# Allegro board SG2042_EVB_V1_1.brd (continued)
## Nets (continued)
GND: ATXPWR1.3 ATXPWR1.5 ATXPWR1.7 ATXPWR1.15 ATXPWR1.17 ATXPWR1.18 ATXPWR1.19 ATXPWR1.24 BT2000.2(-) C1.2 C2.2 C3.2 C4.2 C5.2 C6.2 C7.2 C8.2 C9.2 C10.2 C11.2 C12.2 C13.2 C14.2 C15.2 C16.2 C17.2 C19.2 C20.2 C21.2 C22.2 C23.2 C24.2 C25.2 C26.2 C27.2 C28.2 C29.2 C30.2 C31.2 C32.2 C33.2 C34.2 C35.2 C36.2 C37.2 C39.2 C40.2 C41.2 C42.2 C43.2 C44.2 C45.2 C46.2 C47.2 C48.2 C49.2 C50.2 C51.2 C52.2 C53.2 C54.2 C55.2 C56.2 C57.2 C59.2 C60.2 C61.2 C62.2 C63.2 C64.2 C65.2 C66.2 C67.2 C68.2 C69.2 C70.2 C71.2 C72.2 C73.2 C74.2 C75.2 C76.2 C77.2 C79.2 C80.2 C81.1 C82.1 C83.1 C84.1 C85.1 C86.1 C87.1 C88.1 C89.1 C90.1 C91.1 C92.1 C93.1 C94.1 C95.1 C96.1 C97.1 C98.1 C99.1 C100.1 C101.1 C102.1 C103.1 C104.1 C105.1 C106.1 C107.1 C108.1 C109.1 C110.1 C111.1 C112.1 C113.1 C114.1 C115.1 C116.1 C117.1 C118.1 C119.1 C120.1 C121.1 C122.1 C123.1 C124.1 C125.1 C126.1 C127.1 C128.1 C129.1 C132.1 C133.1 C134.1 C135.1 C136.1 C137.1 C138.1 C139.1 C140.1 C141.1 C142.1 C143.1 C144.1 C145.1 C146.1 C147.1 C148.1 C149.1 C150.1 C151.1 C152.1 C153.1 C154.1 C155.1 C156.1 C157.1 C158.1 C159.1 C160.1 C161.1 C162.1 C163.1 C164.1 C165.1 C166.1 C167.1 C168.1 C169.1 C170.1 C171.1 C172.1 C173.1 C174.1 C175.1 C176.1 C177.1 C178.1 C179.1 C181.1 C182.1 C183.1 C184.1 C185.1 C186.1 C187.1 C188.1 C189.1 C190.1 C191.1 C192.1 C193.1 C194.1 C195.1 C196.1 C197.1 C198.1 C199.1 C200.1 C201.1 C202.1 C203.1 C204.1 C205.1 C206.1 C207.1 C208.1 C209.1 C210.1 C211.1 C212.1 C213.1 C214.1 C215.1 C216.1 C217.1 C218.1 C219.1 C220.1 C221.1 C222.1 C223.1 C224.1 C225.1 C226.1 C227.1 C228.1 C229.1 C230.1 C231.1 C232.1 C233.1 C234.1 C235.1 C236.1 C237.1 C238.1 C239.1 C240.1 C241.1 C242.1 C243.1 C244.1 C245.1 C246.1 C247.1 C248.1 C249.1 C250.1 C251.1 C252.1 C253.1 C254.1 C255.1 C256.1 C257.1 C258.1 C259.1 C260.1 C261.1 C262.1 C263.1 C264.1 C265.1 C266.1 C267.1 C281.1 C282.1 C283.1 C284.1 C285.1 C286.1 C287.1 C288.1 C289.1 C290.1 C291.1 C292.1 C293.1 C294.1 C295.1 C296.1 C297.1 C298.1 C299.1 C300.1 C301.1 C302.1 C303.1 C304.1 C305.1 C306.1 C307.1 C308.1 C309.1 C310.1 C311.1 C312.1 C313.1 C314.1 C315.1 C316.1 C317.1 C318.1 C319.1 C320.1 C321.1 C322.1 C323.1 C324.1 C325.1 C326.1 C327.1 C328.1 C329.1 C330.1 C331.1 C332.1 C333.1 C334.1 C335.1 C336.1 C337.1 C338.1 C339.1 C340.1 C341.1 C342.1 C343.1 C344.1 C345.1 C346.1 C347.1 C348.1 C349.1 C350.1 C351.1 C352.1 C353.1 C354.1 C355.1 C356.1 C357.1 C358.1 C359.1 C360.1 C361.1 C362.1 C363.1 C364.1 C445.1 C446.1 C447.1 C448.1 C449.1 C450.1 C451.1 C452.1 C453.1 C454.1 C455.1 C456.1 C457.1 C458.1 C459.1 C460.1 C461.1 C462.1 C463.1 C464.1 C465.1 C466.1 C467.1 C468.1 C469.1 C470.1 C471.1 C475.1 C476.1 C477.1 C478.1 C479.1 C480.1 C481.1 C482.1 C483.1 C484.1 C485.1 C486.1 C487.1 C488.1 C489.1 C490.1 C491.1 C492.1 C493.1 C494.1 C495.1 C496.1 C497.1 C498.1 C499.1 C505.1 C506.1 C507.1 C508.1 C509.1 C510.1 C511.1 C512.1 C513.1 C514.1 C515.1 C516.1 C517.1 C518.1 C519.1 C525.1 C526.2 C528.1 C530.1 C531.1 C532.1 C533.1 C534.1 C535.1 C536.1 C537.1 C538.1 C539.1 C540.1 C541.1 C542.1 C543.1 C545.1 C548.2 C549.2 C550.2 C551.2 C552.2 C557.2 C558.2 C559.2 C560.2 C561.2 C562.2 C563.2 C564.2 C565.2 C566.2 C567.2 C568.2 C570.2 C571.2 C572.2 C573.2 C574.2 C575.1 C576.1 C577.2 C578.1 C579.1 C580.1 C581.2 C582.1 C583.1 C584.1 C585.2 C587.1 C588.2 C589.2 C590.1 C592.1 C593.2 C594.1 C597.2 C600.1 C602.1 C604.1 C605.2 C606.1 C607.1 C608.1 C609.1 C610.1 C611.1 C612.1 C613.1 C614.1 C615.1 C616.1 C617.1 C618.1 C619.1 C620.1 C621.1 C622.1 C623.1 C624.1 C625.1 C626.1 C627.1 C628.1 C629.1 C630.1 C631.1 C632.1 C633.1 C634.1 C635.1 C636.1 C637.1 C638.1 C639.1 C640.1 C641.1 C642.1 C643.1 C644.1 C645.1 C646.1 C647.1 C648.1 C649.1 C650.1 C651.1 C652.1 C653.1 C654.1 C655.1 C656.1 C657.1 C658.1 C659.1 C660.1 C661.1 C662.1 C663.1 C664.1 C665.1 C666.1 C667.1 C668.1 C669.1 C670.1 C671.1 C672.1 C673.1 C674.1 C675.1 C676.1 C677.1 C678.1 C679.1 C680.1 C681.1 C682.1 C683.1 C684.1 C685.1 C686.1 C687.1 C688.1 C689.1 C690.1 C691.1 C692.1 C693.1 C694.1 C695.1 C696.1 C697.1 C698.1 C699.1 C700.1 C701.1 C702.1 C703.1 C704.1 C705.1 C706.1 C707.1 C708.1 C709.1 C710.1 C711.1 C712.1 C713.1 C714.1 C715.1 C716.1 C717.1 C718.1 C719.1 C720.1 C721.1 C722.1 C723.1 C724.1 C725.1 C726.1 C727.1 C728.1 C729.1 C730.1 C731.1 C756.1 C757.1 C758.1 C759.1 C760.1 C761.1 C762.1 C763.1 C764.1 C765.1 C766.1 C767.1 C768.1 C769.1 C770.1 C771.1 C772.1 C773.1 C774.1 C775.1 C776.1 C777.1 C778.1 C779.1 C780.1 C781.1 C782.1 C783.1 C784.1 C785.1 C786.1 C787.1 C788.1 C789.1 C790.1 C791.1 C792.1 C793.1 C794.1 C795.1 C796.1 C797.1 C798.1 C799.1 C800.1 C801.1 C802.1 C803.1 C804.1 C805.1 C806.1 C807.1 C808.1 C809.1 C810.1 C811.1 C812.1 C813.1 C814.1 C815.1 C816.1 C817.1 C818.1 C819.1 C820.1 C821.1 C822.1 C823.1 C824.1 C825.1 C826.1 C827.1 C828.1 C829.1 C830.1 C831.1 C832.1 C833.1 C834.1 C835.1 C836.1 C837.1 C838.1 C839.1 C840.1 C841.1 C842.1 C843.1 C844.1 C845.1 C846.1 C847.1 C848.1 C849.1 C850.1 C851.1 C852.1 C853.1 C854.1 C855.1 C856.1 C857.1 C858.1 C859.1 C860.1 C861.1 C862.1 C863.1 C864.1 C865.1 C866.1 C867.1 C868.1 C869.1 C870.1 C871.1 C872.1 C873.1 C874.1 C875.1 C876.1 C877.1 C878.1 C879.1 C880.1 C881.1 C976.1 C977.1 C978.1 C979.1 C980.1 C981.1 C982.1 C983.1 C984.1 C985.1 C986.1 C987.1 C988.1 C989.1 C990.1 C991.1 C992.1 C993.1 C994.1 C995.1 C996.1 C997.1 C998.1 C999.1 C1000.1 C1001.1 C1002.1 C1003.1 C1004.1 C1005.1 C1006.1 C1007.1 C1008.1 C1009.1 C1010.1 C1011.1 C1156.1 C1157.1 C1158.1 C1159.1 C1160.1 C1161.1 C1162.1 C1163.1 C1164.1 C1165.1 C1167.2 C1168.2 C1171.2 C1172.1 C1173.1 C1178.1 C1182.2 C1183.2 C1184.2 C1185.2 C1186.2 C1187.2 C1188.2 C1189.2 C1190.2 C1191.2 C1192.2 C1193.2 C1194.2 C1195.2 C1196.2 C1201.1 C1207.1 C1209.2 C1210.2 C1211.1 C1213.1 C1214.1 C1217.2 C1218.2 C1219.1 C1221.1 C1222.1 C1230.1 C1231.2 C1232.2 C1235.1 C1236.1 C1239.2 C1240.2 C1241.2 C1242.2 C1243.2 C1244.2 C1245.2 C1246.2 C1247.2 C1248.2 C1249.2 C1250.2 C1251.2 C1252.2 C1253.2 C1254.2 C1255.2 C1256.2 C1257.2 C1258.2 C1259.2 C1260.2 C1261.2 C1262.2 C1263.2 C1264.2 C1265.2 C1266.2 C1267.2 C1268.2 C1269.2 C1270.2 C1271.2 C1272.2 C1273.2 C1274.2 C1275.2 C1276.2 C1277.2 C1278.2 C1279.2 C1280.2 C1281.2 C1285.2 C1286.2 C1289.2 C1290.2 C1291.2 C1292.2 C1293.2 C1294.2 C1295.2 C1296.2 C1297.2 C1298.2 C1299.2 C1300.2 C1301.2 C1302.2 C1303.2 C1304.2 C1305.2 C1306.2 C1307.2 C1308.2 C1309.2 C1310.2 C1311.2 C1312.2 C1313.2 C1314.2 C1315.2 C1317.2 C1318.2 C1319.2 C1320.2 C1321.2 C1322.2 C1323.2 C1324.2 C1325.2 C1326.2 C1327.2 C1328.2 C1329.2 C1330.2 C1331.2 C1332.2 C1333.2 C1334.2 C1335.2 C1336.2 C1337.2 C1338.2 C1342.2 C1343.2 C1344.2 C1345.2 C1346.2 C1347.2 C1348.2 C1349.2 C1350.2 C1351.2 C1352.2 C1353.2 C1354.2 C1355.2 C1356.2 C1357.2 C1358.2 C1359.2 C1360.2 C1361.2 C1362.2 C1363.2 C1364.2 C1365.2 C1366.2 C1367.2 C1368.2 C1369.2 C1370.2 C1371.2 C1372.2 C1373.2 C1374.2 C1375.2 C1376.2 C1377.2 C1378.2 C1379.2 C1380.2 C1381.2 C1382.2 C1383.2 C1384.2 C1385.2 C1386.2 C1387.2 C1388.2 C1389.2 C1390.2 C1391.2 C1392.2 C1393.2 C1394.2 C1395.2 C1396.2 C1397.2 C1398.2 C1399.2 C1400.2 C1401.2 C1402.2 C1403.2 C1408.2 C1409.2 C1410.2 C1411.2 C1412.2 C1413.2 C1414.2 C1415.2 C1416.1 C1418.1 C1420.2 C1421.1 C1422.2 C1424.2 C1425.2 C1426.2 C1427.1 C1428.1 C1430.2 C1431.2 C1432.2 C1433.2 C1435.2 C1436.2 C1437.2 C1438.2 C1439.2 C1441.2 C1442.1 C1443.1 C1444.1 C1445.1 C1446.2 C1448.2 C1450.2 C1452.2 C1454.2 C1456.2 C1458.2 C1460.2 C1462.2 C1465.1 C1466.1 C1468.1 C1469.1 C1471.1 C1472.1 C1473.1 C1474.1 C1475.1 C1476.1 C1477.1 C1478.1 C1479.1 C1480.1 C1481.1 C1482.1 C1483.1 C1484.1 C1485.1 C1486.1 C1487.1 C1488.1 C1491.2 C1492.2 C1493.2 C1496.2 C1497.2 C1499.2 C1500.2 C1501.2 C1502.2 C1503.2 C1504.2 C1505.2 C1506.2 C1507.2 C1508.2 C1509.2 C1510.2 C1511.2 C1512.2 C1514.2 C1515.2 C1516.2 C1517.2 C1518.2 C1519.2 C1520.2 C1521.2 C1522.2 C1523.2 C1524.2 C1525.2 C1526.2 C1527.2 C1528.2 C1529.2 C1531.2 C1532.2 C1533.2 C1534.1 C1535.2 C1536.2 C1537.2 C1538.2 C1540.1 C1541.1 C1543.2 C1544.2 C1545.2 C1546.2 C1548.2 C1549.2 C1550.2 C1551.2 C1552.2 C1554.2 C1555.1 C1556.1 C1558.2 C1559.2 C1560.2 C1561.2 C1563.2 C1564.2 C1565.2 C1566.2 C1567.2 C1569.2 C1570.1 C1571.1 C1572.1 C1573.1 C1574.1 C1575.1 C1576.1 C1577.1 C1578.2 C1579.2 C1580.1 C1581.1 C1582.1 C1583.1 C1584.1 C1585.1 C1586.1 C1587.1 C1588.1 C1589.1 C1590.1 C1591.1 C1592.1 C1593.1 C1597.1 C1598.1 C1599.1 C1600.1 C1601.1 C1602.1 C1603.1 C1604.1 C1605.1 C1606.1 C1610.1 C1611.1 C1612.1 C1613.1 C1614.1 C1615.1 C1616.1 C1617.1 C1618.1 C1619.1 C1620.1 C1621.1 C1622.1 C1623.1 C1624.1 C1625.1 C1626.1 C1630.1 C1631.1 C1632.1 C1633.1 C1634.1 C1638.1 C1639.1 C1640.1 C1641.1 C1642.1 C1668.2 C1669.2 C1670.2 C1671.2 C1672.2 C1674.2 C1675.2 C1677.1 C1678.1 C1699.1 C1700.1 C1701.1 C1702.1 C1703.1 C1704.1 C1705.1 C1706.1 C1707.1 C1708.1 C1709.1 C1710.1 C1711.1 C1712.1 C1713.1 C1714.1 C1715.1 C1716.1 C1717.1 C1718.1 C1719.1 C1720.1 C1721.1 C1722.1 C1723.1 C1724.1 C1725.1 C1726.1 C1727.1 C1728.1 C1729.1 C1730.1 C1731.1 C1732.1 C1733.1 C1734.1 C1735.1 C1736.1 C1737.2 C1738.2 C1743.2 C1744.2 C1745.2 C1746.2 C1805.2 C2000.2 C2001.2 C2010.2 C3119.1 C3121.2 C3143.2 C3144.1 C3145.1 C3146.1 C3147.2 C3148.2 C3149.2 C3150.2 C3151.2 C3152.2 C3153.2 C3154.2 C3155.2 C3156.1 C3157.1 C3159.2 C3161.2 C3162.2 C3164.1 C3165.1 C3166.2 C3167.2 C3168.2 C3169.2 C3170.2 C3174.2 C3175.2 C3230.2 C3231.1 C3232.1 C3234.1 C3247.2 C3248.2 C3252.1 C3253.1 C3254.1 C3255.1 C3256.1 C3257.1 C3258.1 C3259.1 C3260.1 C3261.1 C3262.1 C3263.2 C3264.2 C3265.2 C3266.2 C3267.2 C3272.1 C3273.1 C3274.1 C3276.1 C3277.1 C3278.1 C3279.1 C3280.1 C3281.1 C3282.1 C3283.1 C3284.1 C3285.1 C3286.1 C3287.1 C3289.2 C3290.2 C3291.1 C3294.2 C3295.2 C3296.2 C3297.2 C3298.2 C3299.2 C3300.2 C3301.2 C3302.2 C3303.2 C3304.2 C3305.2 C3306.2 C3307.2 C3308.1 C3309.2 C3310.2 C3311.2 C3312.2 C3313.2 C3314.2 C3315.1 C3316.1 C3318.2 C3319.2 C3320.2 C3321.1 C3322.1 C3323.2 C3324.2 C3325.2 C3326.2 C3327.1 C3328.1 C3329.1 C3330.1 C3331.1 C3332.1 C3333.1 C3334.1 C3335.1 D1.2 D2.2 D3.2 D4.2 D5.2 D6.2 D7.2 D8.2 D9.2 D10.2 D11.2 D12.2 D13.2 D14.2 D15.2 D16.2 D17.2 D18.2 D19.2 D20.2 D21.2 D22.2 D23.2 D24.2 D25.2 D42.2 D43.2 D44.2 D521.2 D522.2 D523.2 D528.2 D529.2 D530.2 D532.2 H1.1 H2.1 H3.1 H4.1 H5.1 H6.1 H7.1 H8.1 H9.1 H10.1 H11.1 H12.1 H13.1 H14.1 H15.1 H16.1 H17.1 H18.1 H19.1 H20.1 H21.1 J1.2 J1.4 J1.6 J1.9 J1.11 J1.13 J1.15 J1.17 J1.20 J1.22 J1.24 J1.26 J1.28 J1.31 J1.33 J1.35 J1.37 J1.39 J1.42 J1.44 J1.46 J1.48 J1.50 J1.53 J1.55 J1.57 J1.94 J1.96 J1.98 J1.101 J1.103 J1.105 J1.107 J1.109 J1.112 J1.114 J1.116 J1.118 J1.120 J1.123 J1.125 J1.127 J1.129 J1.131 J1.134 J1.136 J1.138 J1.147 J1.149 J1.151 J1.154 J1.156 J1.158 J1.160 J1.162 J1.165 J1.167 J1.169 J1.171 J1.173 J1.176 J1.178 J1.180 J1.182 J1.184 J1.187 J1.189 J1.191 J1.193 J1.195 J1.198 J1.200 J1.202 J1.239 J1.241 J1.243 J1.246 J1.248 J1.250 J1.252 J1.254 J1.257 J1.259 J1.261 J1.263 J1.265 J1.268 J1.270 J1.272 J1.274 J1.276 J1.279 J1.281 J1.283(VSS_93) J2.2 J2.4 J2.6 J2.9 J2.11 J2.13 J2.15 J2.17 J2.20 J2.22 J2.24 J2.26 J2.28 J2.31 J2.33 J2.35 J2.37 J2.39 J2.42 J2.44 J2.46 J2.48 J2.50 J2.53 J2.55 J2.57 J2.94 J2.96 J2.98 J2.101 J2.103 J2.105 J2.107 J2.109 J2.112 J2.114 J2.116 J2.118 J2.120 J2.123 J2.125 J2.127 J2.129 J2.131 J2.134 J2.136 J2.138 J2.147 J2.149 J2.151 J2.154 J2.156 J2.158 J2.160 J2.162 J2.165 J2.167 J2.169 J2.171 J2.173 J2.176 J2.178 J2.180 J2.182 J2.184 J2.187 J2.189 J2.191 J2.193 J2.195 J2.198 J2.200 J2.202 J2.239 J2.241 J2.243 J2.246 J2.248 J2.250 J2.252 J2.254 J2.257 J2.259 J2.261 J2.263 J2.265 J2.268 J2.270 J2.272 J2.274 J2.276 J2.279 J2.281 J2.283(VSS_93) J3.2 J3.4 J3.6 J3.9 J3.11 J3.13 J3.15 J3.17 J3.20 J3.22 J3.24 J3.26 J3.28 J3.31 J3.33 J3.35 J3.37 J3.39 J3.42 J3.44 J3.46 J3.48 J3.50 J3.53 J3.55 J3.57 J3.94 J3.96 J3.98 J3.101 J3.103 J3.105 J3.107 J3.109 J3.112 J3.114 J3.116 J3.118 J3.120 J3.123 J3.125 J3.127 J3.129 J3.131 J3.134 J3.136 J3.138 J3.147 J3.149 J3.151 J3.154 J3.156 J3.158 J3.160 J3.162 J3.165 J3.167 J3.169 J3.171 J3.173 J3.176 J3.178 J3.180 J3.182 J3.184 J3.187 J3.189 J3.191 J3.193 J3.195 J3.198 J3.200 J3.202 J3.239 J3.241 J3.243 J3.246 J3.248 J3.250 J3.252 J3.254 J3.257 J3.259 J3.261 J3.263 J3.265 J3.268 J3.270 J3.272 J3.274 J3.276 J3.279 J3.281 J3.283(VSS_93) J4.2 J4.4 J4.6 J4.9 J4.11 J4.13 J4.15 J4.17 J4.20 J4.22 J4.24 J4.26 J4.28 J4.31 J4.33 J4.35 J4.37 J4.39 J4.42 J4.44 J4.46 J4.48 J4.50 J4.53 J4.55 J4.57 J4.94 J4.96 J4.98 J4.101 J4.103 J4.105 J4.107 J4.109 J4.112 J4.114 J4.116 J4.118 J4.120 J4.123 J4.125 J4.127 J4.129 J4.131 J4.134 J4.136 J4.138 J4.147 J4.149 J4.151 J4.154 J4.156 J4.158 J4.160 J4.162 J4.165 J4.167 J4.169 J4.171 J4.173 J4.176 J4.178 J4.180 J4.182 J4.184 J4.187 J4.189 J4.191 J4.193 J4.195 J4.198 J4.200 J4.202 J4.239 J4.241 J4.243 J4.246 J4.248 J4.250 J4.252 J4.254 J4.257 J4.259 J4.261 J4.263 J4.265 J4.268 J4.270 J4.272 J4.274 J4.276 J4.279 J4.281 J4.283(VSS_93) J8.6(VSS) J8.10 J8.11 J8.12 J8.13 J10.4 J10.6 J10.8 J10.10 J10.12 J10.14 J10.16 J10.18 J10.20 J11.4 J11.6 J11.8 J11.10 J11.12 J11.14 J11.16 J11.18 J11.20 J12.4 J12.6 J12.8 J12.10 J12.12 J12.14 J12.16 J12.18 J12.20 J13.12 J13.14 J13.16 J13.17 J13.18 J13.19 J13.20 J13.21 J13.22 J13.23 J13.24 J14.11 J14.13 J14.23 J14.24 J17.23 J17.24 J22.5 J22.6 J22.7 J22.8 J201.4 J1103.5 J1103.6 J1103.7 J1103.8 J1104.A4 J1104.A12 J1104.A15 J1104.A18 J1104.A20 J1104.A23 J1104.A24 J1104.A27 J1104.A28 J1104.A31 J1104.A34 J1104.A37 J1104.A38 J1104.A41 J1104.A42 J1104.A45 J1104.A46 J1104.A49 J1104.A51 J1104.A54 J1104.A55 J1104.A58 J1104.A59 J1104.A62 J1104.A63 J1104.A66 J1104.A67 J1104.A70 J1104.A71 J1104.A74 J1104.A75 J1104.A78 J1104.A79 J1104.A82 J1104.B4 J1104.B7 J1104.B13 J1104.B16 J1104.B18 J1104.B21 J1104.B22 J1104.B25 J1104.B26 J1104.B29 J1104.B32 J1104.B35 J1104.B36 J1104.B39 J1104.B40 J1104.B43 J1104.B44 J1104.B47 J1104.B49 J1104.B52 J1104.B53 J1104.B56 J1104.B57 J1104.B60 J1104.B61 J1104.B64 J1104.B65 J1104.B68 J1104.B69 J1104.B72 J1104.B73 J1104.B76 J1104.B77 J1104.B80 J1104.PIN1 J1104.PIN2 J2005.2 J2006.5 J2006.6 J2006.7 J2006.8 J2007.13 J2007.14 J2007.23 J2007.24 J2008.1 J2014.4 J2016.16 J2016.28 J2017.1 J2018.A4 J2018.A12 J2018.A15 J2018.A18 J2018.A20 J2018.A23 J2018.A24 J2018.A27 J2018.A28 J2018.A31 J2018.A34 J2018.A37 J2018.A38 J2018.A41 J2018.A42 J2018.A45 J2018.A46 J2018.A49 J2018.A51 J2018.A54 J2018.A55 J2018.A58 J2018.A59 J2018.A62 J2018.A63 J2018.A66 J2018.A67 J2018.A70 J2018.A71 J2018.A74 J2018.A75 J2018.A78 J2018.A79 J2018.A82 J2018.B4 J2018.B7 J2018.B13 J2018.B16 J2018.B18 J2018.B21 J2018.B22 J2018.B25 J2018.B26 J2018.B29 J2018.B32 J2018.B35 J2018.B36 J2018.B39 J2018.B40 J2018.B43 J2018.B44 J2018.B47 J2018.B49 J2018.B52 J2018.B53 J2018.B56 J2018.B57 J2018.B60 J2018.B61 J2018.B64 J2018.B65 J2018.B68 J2018.B69 J2018.B72 J2018.B73 J2018.B76 J2018.B77 J2018.B80 J2018.PIN1 J2018.PIN2 J2019.A4 J2019.A12 J2019.A15 J2019.A18 J2019.A20 J2019.A23 J2019.A24 J2019.A27 J2019.A28 J2019.A31 J2019.A34 J2019.A37 J2019.A38 J2019.A41 J2019.A42 J2019.A45 J2019.A46 J2019.A49 J2019.A51 J2019.A54 J2019.A55 J2019.A58 J2019.A59 J2019.A62 J2019.A63 J2019.A66 J2019.A67 J2019.A70 J2019.A71 J2019.A74 J2019.A75 J2019.A78 J2019.A79 J2019.A82 J2019.B4 J2019.B7 J2019.B13 J2019.B16 J2019.B18 J2019.B21 J2019.B22 J2019.B25 J2019.B26 J2019.B29 J2019.B32 J2019.B35 J2019.B36 J2019.B39 J2019.B40 J2019.B43 J2019.B44 J2019.B47 J2019.B49 J2019.B52 J2019.B53 J2019.B56 J2019.B57 J2019.B60 J2019.B61 J2019.B64 J2019.B65 J2019.B68 J2019.B69 J2019.B72 J2019.B73 J2019.B76 J2019.B77 J2019.B80 J2019.PIN1 J2019.PIN2 J2020.19 J2020.20 J2020.21 J2020.22 J2020.23 J2020.24 J2021.2 K1.1 K1.3 K2.1 K2.3 Q403.2(S) Q501.2(E) Q2002.2(E) Q2003.2(E) Q2004.2(E) Q2005.2(E) Q2008.2(S) Q2009.2(S) Q2010.2(S) R2.2 R3.2 R4.2 R6.2 R7.2 R10.2 R12.2 R14.2 R17.2 R18.2 R25.1 R26.1 R27.1 R28.1 R29.1 R30.1 R39.2 R41.2 R42.2 R55.1 R58.1 R70.1 R72.1 R74.1 R76.1 R78.1 R80.1 R82.1 R84.1 R85.1 R87.2 R89.2 R102.1 R119.1 R120.1 R121.1 R122.1 R123.1 R125.1 R126.1 R127.1 R128.1 R129.1 R130.1 R131.1 R133.1 R136.1 R138.1 R164.1 R165.1 R166.1 R167.1 R168.1 R169.1 R170.1 R171.1 R176.1 R177.1 R178.1 R179.1 R193.1 R194.1 R195.1 R250.1 R251.1 R253.1 R258.1 R286.2 R287.2 R288.2 R289.2 R290.2 R291.2 R292.2 R293.2 R294.2 R295.2 R296.2 R297.2 R298.2 R299.2 R313.1 R324.2 R340.1 R371.2 R373.2 R379.2 R388.2 R389.2 R390.2 R393.2 R395.2 R412.2 R413.2 R414.2 R436.2 R437.2 R438.2 R439.2 R449.2 R461.1 R463.1 R464.1 R466.1 R480.2 R482.2 R490.2 R492.2 R494.2 R496.2 R624.2 R631.2 R637.2 R638.2 R639.2 R640.2 R644.2 R648.2 R654.2 R659.2 R666.1 R668.1 R669.1 R671.1 R677.1 R679.1 R680.1 R682.1 R701.2 R1146.1 R1183.2 R1257.1 R1261.1 R1265.1 R1352.1 R1358.1 R1359.1 R1365.1 R1366.1 R2098.2 R2099.2 R2100.2 R2101.2 R2103.2 R2112.2 R2114.2 R2115.1 R2116.1 R2117.1 R2118.1 R2179.2 R2180.2 R2181.2 R2182.2 R2187.1 R2189.1 R2343.1 R2344.1 R2347.2 R2349.2 R2372.2 R2374.2 R2376.2 R2378.2 R2380.2 R2382.2 R2383.2 R2384.2 R2385.2 R2394.2 R2398.2 R2409.2 R2410.2 R2411.2 R2412.2 R2413.2 R2414.2 R2415.2 R2416.2 R2417.2 R2448.2 R2450.2 R2480.2 R2488.2 R2493.2 R2494.2 R2495.2 SW201.2 TP8.1(TP) TP14.1(TP) TP18.1(TP) TP19.1(TP) TP33.1(TP) U1.A1 U1.A4 U1.A8 U1.A9 U1.A13 U1.A14 U1.A15 U1.A42 U1.A43 U1.A44 U1.A48 U1.A49 U1.A53 U1.A56 U1.AA3 U1.AA7 U1.AA9 U1.AA11 U1.AA13 U1.AA15 U1.AA16 U1.AA18 U1.AA20 U1.AA22 U1.AA24 U1.AA26 U1.AA28 U1.AA30 U1.AA32 U1.AA34 U1.AA36 U1.AA38 U1.AA42 U1.AA44 U1.AA46 U1.AA48 U1.AA50 U1.AA54 U1.AB2 U1.AB6 U1.AB9 U1.AB10 U1.AB12 U1.AB14 U1.AB19 U1.AB21 U1.AB23 U1.AB25 U1.AB27 U1.AB29 U1.AB31 U1.AB33 U1.AB35 U1.AB37 U1.AB39 U1.AB43 U1.AB45 U1.AB47 U1.AB48 U1.AB51 U1.AB55 U1.AC3 U1.AC4 U1.AC7 U1.AC8 U1.AC9 U1.AC11 U1.AC13 U1.AC15 U1.AC18 U1.AC20 U1.AC22 U1.AC24 U1.AC26 U1.AC28 U1.AC30 U1.AC32 U1.AC34 U1.AC36 U1.AC38 U1.AC42 U1.AC44 U1.AC46 U1.AC48 U1.AC49 U1.AC50 U1.AC53 U1.AC54 U1.AD1 U1.AD3 U1.AD5 U1.AD7 U1.AD9 U1.AD10 U1.AD12 U1.AD14 U1.AD19 U1.AD21 U1.AD23 U1.AD25 U1.AD27 U1.AD29 U1.AD31 U1.AD33 U1.AD35 U1.AD37 U1.AD39 U1.AD41 U1.AD43 U1.AD45 U1.AD47 U1.AD48(VSS_1351) U1.AD50 U1.AD52 U1.AD54 U1.AD56 U1.AE1 U1.AE4 U1.AE6 U1.AE8 U1.AE9 U1.AE11 U1.AE13 U1.AE15 U1.AE16 U1.AE18 U1.AE20 U1.AE22 U1.AE24 U1.AE26 U1.AE28 U1.AE30 U1.AE32 U1.AE34 U1.AE36 U1.AE38 U1.AE42 U1.AE44 U1.AE46 U1.AE48 U1.AE49 U1.AE51 U1.AE53 U1.AE56 U1.AF1 U1.AF2 U1.AF3 U1.AF4 U1.AF5 U1.AF6 U1.AF7 U1.AF8 U1.AF10 U1.AF12 U1.AF14 U1.AF19 U1.AF21 U1.AF23 U1.AF25 U1.AF27 U1.AF29 U1.AF31 U1.AF33 U1.AF35 U1.AF37 U1.AF39 U1.AF41 U1.AF43 U1.AF45 U1.AF47 U1.AF49 U1.AF50 U1.AF51 U1.AF52 U1.AF53 U1.AF54 U1.AF55 U1.AF56 U1.AG1 U1.AG4 U1.AG6 U1.AG8 U1.AG9 U1.AG11 U1.AG13 U1.AG15 U1.AG18 U1.AG20 U1.AG22 U1.AG24 U1.AG26 U1.AG28 U1.AG30 U1.AG32 U1.AG34 U1.AG36 U1.AG38 U1.AG42 U1.AG44 U1.AG46 U1.AG48 U1.AG49 U1.AG51 U1.AG53 U1.AG56 U1.AH1 U1.AH3 U1.AH5 U1.AH7 U1.AH9 U1.AH10 U1.AH12 U1.AH14 U1.AH16 U1.AH19 U1.AH21 U1.AH23 U1.AH25 U1.AH27 U1.AH29 U1.AH31 U1.AH33 U1.AH35 U1.AH37 U1.AH39 U1.AH41 U1.AH43 U1.AH45 U1.AH47 U1.AH48 U1.AH50 U1.AH52 U1.AH54 U1.AH56 U1.AJ3 U1.AJ4 U1.AJ7 U1.AJ8 U1.AJ9 U1.AJ11 U1.AJ13 U1.AJ15 U1.AJ18 U1.AJ20 U1.AJ22 U1.AJ24 U1.AJ26 U1.AJ30 U1.AJ32 U1.AJ34 U1.AJ36 U1.AJ38 U1.AJ42 U1.AJ44 U1.AJ46 U1.AJ48 U1.AJ49 U1.AJ50 U1.AJ53 U1.AJ54 U1.AK2 U1.AK6 U1.AK9 U1.AK10 U1.AK12 U1.AK14 U1.AK19 U1.AK21 U1.AK23 U1.AK25 U1.AK27 U1.AK29 U1.AK31 U1.AK33 U1.AK35 U1.AK37 U1.AK39 U1.AK43 U1.AK45 U1.AK47 U1.AK48 U1.AK51 U1.AK55 U1.AL3 U1.AL7 U1.AL9 U1.AL11 U1.AL13 U1.AL15 U1.AL18 U1.AL20 U1.AL22 U1.AL24 U1.AL26 U1.AL28 U1.AL30 U1.AL32 U1.AL34 U1.AL36 U1.AL38 U1.AL42 U1.AL44 U1.AL46 U1.AL48 U1.AL50 U1.AL54 U1.AM1 U1.AM4 U1.AM6 U1.AM8 U1.AM9 U1.AM10 U1.AM12 U1.AM14 U1.AM19 U1.AM21 U1.AM23 U1.AM25 U1.AM27 U1.AM29 U1.AM31 U1.AM33 U1.AM35 U1.AM37 U1.AM39 U1.AM41 U1.AM43 U1.AM45 U1.AM47 U1.AM48 U1.AM49 U1.AM51 U1.AM53 U1.AM56 U1.AN1 U1.AN3 U1.AN5 U1.AN7 U1.AN9 U1.AN11 U1.AN13 U1.AN15 U1.AN16 U1.AN18 U1.AN20 U1.AN22 U1.AN24 U1.AN26 U1.AN28 U1.AN30 U1.AN32 U1.AN34 U1.AN36 U1.AN38 U1.AN42 U1.AN44 U1.AN46 U1.AN48 U1.AN50 U1.AN52 U1.AN54 U1.AN56 U1.AP3 U1.AP4 U1.AP7 U1.AP8 U1.AP10 U1.AP12 U1.AP14 U1.AP19 U1.AP21 U1.AP23 U1.AP25 U1.AP27 U1.AP29 U1.AP31 U1.AP33 U1.AP35 U1.AP37 U1.AP39 U1.AP41 U1.AP43 U1.AP45 U1.AP47 U1.AP49 U1.AP50 U1.AP53 U1.AP54 U1.AR2 U1.AR6 U1.AR9 U1.AR11 U1.AR13 U1.AR15 U1.AR16 U1.AR18 U1.AR20 U1.AR22 U1.AR24 U1.AR26 U1.AR28 U1.AR30 U1.AR32 U1.AR34 U1.AR36 U1.AR38 U1.AR42 U1.AR44 U1.AR46 U1.AR48 U1.AR51 U1.AR55 U1.AT3 U1.AT7 U1.AT10 U1.AT12 U1.AT14 U1.AT19 U1.AT21 U1.AT23 U1.AT25 U1.AT27 U1.AT29 U1.AT31 U1.AT33 U1.AT35 U1.AT37 U1.AT39 U1.AT41 U1.AT43 U1.AT45 U1.AT47 U1.AT50 U1.AT54 U1.AU1 U1.AU4 U1.AU5 U1.AU9 U1.AU11 U1.AU13 U1.AU15 U1.AU16 U1.AU18 U1.AU20 U1.AU22 U1.AU24 U1.AU26 U1.AU28 U1.AU30 U1.AU32 U1.AU34 U1.AU36 U1.AU38 U1.AU42 U1.AU44 U1.AU46 U1.AU48 U1.AU52 U1.AU53 U1.AU56 U1.AV1 U1.AV3 U1.AV7 U1.AV8 U1.AV10 U1.AV12 U1.AV14 U1.AV19 U1.AV21 U1.AV23 U1.AV25 U1.AV27 U1.AV29 U1.AV31 U1.AV33 U1.AV35 U1.AV37 U1.AV39 U1.AV41 U1.AV43 U1.AV45 U1.AV47 U1.AV49 U1.AV50 U1.AV54 U1.AV56 U1.AW3 U1.AW4 U1.AW9 U1.AW11 U1.AW13 U1.AW15 U1.AW16 U1.AW18 U1.AW20 U1.AW22 U1.AW24 U1.AW26 U1.AW28 U1.AW30 U1.AW32 U1.AW34 U1.AW36 U1.AW38 U1.AW42 U1.AW44 U1.AW46 U1.AW48 U1.AW53 U1.AW54 U1.AY2 U1.AY5 U1.AY8 U1.AY10 U1.AY12 U1.AY14 U1.AY41 U1.AY43 U1.AY45 U1.AY47 U1.AY49 U1.AY52 U1.AY55 U1.B1 U1.B3 U1.B6 U1.B11 U1.B15 U1.B32 U1.B42 U1.B46 U1.B51 U1.B54 U1.B56 U1.BA3 U1.BA7 U1.BA11 U1.BA13 U1.BA15 U1.BA16 U1.BA18 U1.BA20 U1.BA22 U1.BA24 U1.BA26 U1.BA28 U1.BA32 U1.BA34 U1.BA36 U1.BA38 U1.BA40 U1.BA42 U1.BA44 U1.BA46 U1.BA50 U1.BA54 U1.BB1 U1.BB3 U1.BB8 U1.BB9 U1.BB10 U1.BB12 U1.BB14 U1.BB17 U1.BB19 U1.BB21 U1.BB23 U1.BB29 U1.BB30 U1.BB31 U1.BB33 U1.BB35 U1.BB37 U1.BB39 U1.BB41 U1.BB43 U1.BB45 U1.BB47 U1.BB48 U1.BB49 U1.BB54 U1.BB56 U1.BC5 U1.BC11 U1.BC13 U1.BC15 U1.BC16 U1.BC18 U1.BC20 U1.BC22 U1.BC24 U1.BC26 U1.BC28 U1.BC30 U1.BC32 U1.BC34 U1.BC36 U1.BC38 U1.BC40 U1.BC42 U1.BC44 U1.BC46 U1.BC52 U1.BD1 U1.BD8 U1.BD10 U1.BD12 U1.BD14 U1.BD17 U1.BD19 U1.BD21 U1.BD23 U1.BD25 U1.BD27 U1.BD29 U1.BD31 U1.BD33 U1.BD35 U1.BD37 U1.BD39 U1.BD41 U1.BD43 U1.BD45 U1.BD47 U1.BD49 U1.BD56 U1.BE3 U1.BE6 U1.BE9 U1.BE11 U1.BE13 U1.BE15 U1.BE16 U1.BE18 U1.BE20 U1.BE22 U1.BE24 U1.BE26 U1.BE28 U1.BE30 U1.BE32 U1.BE34 U1.BE36 U1.BE38 U1.BE40 U1.BE42 U1.BE44 U1.BE46 U1.BE48 U1.BE51 U1.BE54 U1.BF8 U1.BF10 U1.BF12 U1.BF14 U1.BF15 U1.BF17 U1.BF19 U1.BF21 U1.BF23 U1.BF25 U1.BF27 U1.BF29 U1.BF31 U1.BF33 U1.BF35 U1.BF37 U1.BF39 U1.BF41 U1.BF43 U1.BF44 U1.BF45 U1.BF47 U1.BF49 U1.BG1 U1.BG4 U1.BG7 U1.BG9 U1.BG12 U1.BG14 U1.BG16 U1.BG18 U1.BG20 U1.BG22 U1.BG24 U1.BG26 U1.BG28 U1.BG30 U1.BG32 U1.BG34 U1.BG36 U1.BG38 U1.BG40 U1.BG42 U1.BG44 U1.BG45 U1.BG46 U1.BG48 U1.BG50 U1.BG53 U1.BG56 U1.BH3 U1.BH7 U1.BH10 U1.BH11 U1.BH13 U1.BH15 U1.BH17 U1.BH19 U1.BH21 U1.BH23 U1.BH25 U1.BH27 U1.BH29 U1.BH31 U1.BH33 U1.BH35 U1.BH37 U1.BH39 U1.BH41 U1.BH43 U1.BH45 U1.BH47 U1.BH50 U1.BH54 U1.BJ2 U1.BJ6 U1.BJ9 U1.BJ10 U1.BJ11 U1.BJ13 U1.BJ15 U1.BJ17 U1.BJ19 U1.BJ21 U1.BJ23 U1.BJ25 U1.BJ27 U1.BJ29 U1.BJ31 U1.BJ33 U1.BJ35 U1.BJ37 U1.BJ39 U1.BJ41 U1.BJ43 U1.BJ45 U1.BJ46 U1.BJ47 U1.BJ48 U1.BJ51 U1.BJ55 U1.BK3 U1.BK4 U1.BK7 U1.BK8 U1.BK9 U1.BK10 U1.BK11 U1.BK12 U1.BK14 U1.BK16 U1.BK18 U1.BK20 U1.BK22 U1.BK24 U1.BK26 U1.BK28 U1.BK30 U1.BK32 U1.BK34 U1.BK36 U1.BK38 U1.BK40 U1.BK42 U1.BK44 U1.BK46 U1.BK47 U1.BK48 U1.BK49 U1.BK50 U1.BK53 U1.BK54 U1.BL1 U1.BL3 U1.BL5 U1.BL7 U1.BL9 U1.BL10 U1.BL11 U1.BL12 U1.BL14 U1.BL16 U1.BL18 U1.BL20 U1.BL22 U1.BL24 U1.BL26 U1.BL28 U1.BL30 U1.BL32 U1.BL34 U1.BL36 U1.BL38 U1.BL40 U1.BL42 U1.BL44 U1.BL46 U1.BL47 U1.BL48 U1.BL50 U1.BL52 U1.BL54 U1.BL56 U1.BM1 U1.BM4 U1.BM6 U1.BM8 U1.BM9 U1.BM10 U1.BM11 U1.BM12 U1.BM13 U1.BM14 U1.BM15 U1.BM16 U1.BM17 U1.BM18 U1.BM19 U1.BM20 U1.BM21 U1.BM22 U1.BM23 U1.BM24 U1.BM25 U1.BM26 U1.BM27 U1.BM28 U1.BM29 U1.BM30 U1.BM31 U1.BM32 U1.BM33 U1.BM34 U1.BM35 U1.BM36 U1.BM37 U1.BM38 U1.BM39 U1.BM40 U1.BM41 U1.BM42 U1.BM43 U1.BM44 U1.BM45 U1.BM46 U1.BM47 U1.BM48 U1.BM49 U1.BM51 U1.BM53 U1.BM56 U1.BN1 U1.BN3 U1.BN6 U1.BN8 U1.BN11 U1.BN13 U1.BN15 U1.BN17 U1.BN19 U1.BN21 U1.BN23 U1.BN25 U1.BN27 U1.BN29 U1.BN31 U1.BN33 U1.BN35 U1.BN37 U1.BN39 U1.BN41 U1.BN43 U1.BN45 U1.BN46 U1.BN49 U1.BN51 U1.BN54 U1.BN56 U1.BP2 U1.BP3 U1.BP5 U1.BP7 U1.BP8 U1.BP10 U1.BP11 U1.BP13 U1.BP15 U1.BP17 U1.BP19 U1.BP21 U1.BP23 U1.BP25 U1.BP27 U1.BP29 U1.BP31 U1.BP33 U1.BP35 U1.BP37 U1.BP39 U1.BP41 U1.BP43 U1.BP45 U1.BP46 U1.BP47 U1.BP49 U1.BP50 U1.BP52 U1.BP54 U1.BP55 U1.BR4 U1.BR9 U1.BR11 U1.BR12 U1.BR14 U1.BR16 U1.BR18 U1.BR20 U1.BR22 U1.BR24 U1.BR26 U1.BR28 U1.BR30 U1.BR32 U1.BR34 U1.BR36 U1.BR38 U1.BR40 U1.BR42 U1.BR44 U1.BR46 U1.BR48 U1.BR53 U1.BT1 U1.BT2 U1.BT6 U1.BT7 U1.BT11 U1.BT12 U1.BT14 U1.BT16 U1.BT18 U1.BT20 U1.BT22 U1.BT24 U1.BT26 U1.BT28 U1.BT30 U1.BT32 U1.BT34 U1.BT36 U1.BT38 U1.BT40 U1.BT42 U1.BT44 U1.BT46 U1.BT50 U1.BT51 U1.BT55 U1.BT56 U1.C3 U1.C4 U1.C5 U1.C7 U1.C8 U1.C10 U1.C12 U1.C13 U1.C15 U1.C18 U1.C21 U1.C24 U1.C27 U1.C30 U1.C36 U1.C39 U1.C42 U1.C44 U1.C45 U1.C47 U1.C49 U1.C50 U1.C52 U1.C53 U1.C54 U1.D2 U1.D7 U1.D9 U1.D12 U1.D14 U1.D15 U1.D42 U1.D43 U1.D45 U1.D48 U1.D50 U1.D55 U1.E3 U1.E6 U1.E11 U1.E15 U1.E17 U1.E20 U1.E23 U1.E26 U1.E29 U1.E32 U1.E35 U1.E38 U1.E41 U1.E42 U1.E46 U1.E51 U1.E54 U1.F1 U1.F4 U1.F5 U1.F8 U1.F10 U1.F13 U1.F15 U1.F42 U1.F44 U1.F47 U1.F49 U1.F52 U1.F53 U1.F56 U1.G2 U1.G6 U1.G7 U1.G9 U1.G11 U1.G12 U1.G14 U1.G15 U1.G16 U1.G19 U1.G22 U1.G25 U1.G28 U1.G31 U1.G34 U1.G37 U1.G40 U1.G42 U1.G43 U1.G45 U1.G46 U1.G48 U1.G50 U1.G51 U1.G55 U1.H3 U1.H5 U1.H7 U1.H10 U1.H12 U1.H15 U1.H42 U1.H45 U1.H47 U1.H50 U1.H52 U1.H54 U1.J4 U1.J7 U1.J9 U1.J11 U1.J13 U1.J14 U1.J15 U1.J20 U1.J24 U1.J28 U1.J32 U1.J36 U1.J40 U1.J42 U1.J43 U1.J44 U1.J46 U1.J48 U1.J50 U1.J53 U1.K2 U1.K5 U1.K8 U1.K10 U1.K12 U1.K14 U1.K17 U1.K19 U1.K21 U1.K23 U1.K25 U1.K27 U1.K29 U1.K31 U1.K33 U1.K35 U1.K37 U1.K39 U1.K41 U1.K43 U1.K45 U1.K47 U1.K49 U1.K52 U1.K55 U1.L9 U1.L11 U1.L13 U1.L15 U1.L16 U1.L18 U1.L20 U1.L22 U1.L24 U1.L26 U1.L28 U1.L30 U1.L32 U1.L34 U1.L36 U1.L38 U1.L40 U1.L42 U1.L44 U1.L46 U1.L48 U1.M1 U1.M4 U1.M7 U1.M10 U1.M12 U1.M14 U1.M17 U1.M19 U1.M21 U1.M23 U1.M25 U1.M27 U1.M29 U1.M31 U1.M33 U1.M35 U1.M37 U1.M39 U1.M41 U1.M43 U1.M45 U1.M47 U1.M50 U1.M53 U1.M56 U1.N9 U1.N11 U1.N13 U1.N15 U1.N16 U1.N18 U1.N20 U1.N22 U1.N24 U1.N26 U1.N28 U1.N30 U1.N32 U1.N34 U1.N36 U1.N38 U1.N40 U1.N42 U1.N44 U1.N46 U1.N48 U1.P3 U1.P6 U1.P8 U1.P10 U1.P12 U1.P14 U1.P17 U1.P19 U1.P21 U1.P23 U1.P25 U1.P27 U1.P29 U1.P31 U1.P33 U1.P35 U1.P37 U1.P39 U1.P41 U1.P43 U1.P45 U1.P47 U1.P49 U1.P51 U1.P54 U1.R1 U1.R5 U1.R8 U1.R11 U1.R13 U1.R15 U1.R16 U1.R18 U1.R20 U1.R22 U1.R24 U1.R26 U1.R28 U1.R30 U1.R32 U1.R34 U1.R36 U1.R38 U1.R40 U1.R42 U1.R44 U1.R46 U1.R49 U1.R52 U1.R56 U1.T3 U1.T7 U1.T9 U1.T10 U1.T12 U1.T14 U1.T17 U1.T19 U1.T21 U1.T23 U1.T25 U1.T27 U1.T29 U1.T31 U1.T33 U1.T35 U1.T37 U1.T39 U1.T41 U1.T43 U1.T45 U1.T47 U1.T48 U1.T50 U1.T54 U1.U2 U1.U6 U1.U11 U1.U13 U1.U15 U1.U16 U1.U42 U1.U44 U1.U46 U1.U51 U1.U55 U1.V3 U1.V4 U1.V7 U1.V8 U1.V10 U1.V12 U1.V14 U1.V19 U1.V21 U1.V23 U1.V25 U1.V27 U1.V29 U1.V31 U1.V33 U1.V35 U1.V37 U1.V39 U1.V41 U1.V43 U1.V45 U1.V47 U1.V49 U1.V50 U1.V53 U1.V54 U1.W1 U1.W3 U1.W5 U1.W7 U1.W9 U1.W11 U1.W13 U1.W15 U1.W16 U1.W18 U1.W20 U1.W22 U1.W24 U1.W26 U1.W28 U1.W30 U1.W32 U1.W34 U1.W36 U1.W38 U1.W42 U1.W44 U1.W46 U1.W48 U1.W50 U1.W52 U1.W54 U1.W56 U1.Y1 U1.Y4 U1.Y6 U1.Y8 U1.Y9 U1.Y10 U1.Y12 U1.Y14 U1.Y19 U1.Y21 U1.Y23 U1.Y25 U1.Y27 U1.Y29 U1.Y31 U1.Y33 U1.Y35 U1.Y37 U1.Y39 U1.Y41 U1.Y43 U1.Y45 U1.Y47 U1.Y48 U1.Y49 U1.Y51 U1.Y53 U1.Y56 U2.A6 U2.C4 U2.E7 U2.G5 U2.H10 U2.J5 U2.K8 U2.N2 U2.N5 U2.P4 U2.P6 U3.1 U3.2 U4.1 U4.2 U5.B1 U6.1 U6.2 U7.41 U10.4 U11.5 U12.11 U13.B1 U14.11 U15.3 U15.29 U17.11 U17.13 U17.19 U17.20 U17.31 U17.38 U17.40 U17.41 U19.3 U20.1 U20.2 U24.1 U24.2 U25.3 U26.1 U26.2 U27.1 U27.2 U28.3 U30.1 U30.2 U31.3 U34.2 U34.5 U34.7 U34.8 U34.9 U34.20 U34.21 U34.22 U34.23 U34.24 U34.40 U34.43 U35.2 U35.5 U35.7 U35.8 U35.9 U35.20 U35.21 U35.22 U35.23 U35.24 U35.40 U35.43 U36.2 U36.5 U36.7 U36.8 U36.9 U36.20 U36.21 U36.22 U36.23 U36.24 U36.40 U36.43 U37.21 U37.22 U37.23 U37.49 U38.2 U38.5 U38.7 U38.8 U38.9 U38.20 U38.21 U38.22 U38.23 U38.24 U38.40 U38.43 U39.2 U39.5 U39.7 U39.8 U39.9 U39.20 U39.21 U39.22 U39.23 U39.24 U39.40 U39.43 U40.2 U40.5 U40.7 U40.8 U40.9 U40.20 U40.21 U40.22 U40.23 U40.24 U40.40 U40.43 U41.2 U41.5 U41.7 U41.8 U41.9 U41.20 U41.21 U41.22 U41.23 U41.24 U41.40 U41.43 U42.2 U42.5 U42.7 U42.8 U42.9 U42.20 U42.21 U42.22 U42.23 U42.24 U42.40 U42.43 U43.2 U43.5 U43.7 U43.8 U43.9 U43.20 U43.21 U43.22 U43.23 U43.24 U43.40 U43.43 U44.2 U44.5 U44.7 U44.8 U44.9 U44.20 U44.21 U44.22 U44.23 U44.24 U44.40 U44.43 U45.1 U45.2 U47.4 U47.8 U47.11 U48.1 U48.2 U49.1 U49.5 U49.10 U49.11 U49.12 U49.13 U49.14 U49.15 U50.1 U50.2 U51.1 U51.2 U53.21 U53.22 U53.23 U53.49 U54.2 U54.5 U54.7 U54.8 U54.9 U54.20 U54.21 U54.22 U54.23 U54.24 U54.40 U54.43 U55.2 U55.5 U55.7 U55.8 U55.9 U55.20 U55.21 U55.22 U55.23 U55.24 U55.40 U55.43 U56.4 U56.8 U56.11 U57.1 U57.2 U58.1 U58.5 U58.10 U58.11 U58.12 U58.13 U58.14 U58.15 U59.1 U59.2 U60.1 U60.5 U60.10 U60.11 U60.12 U60.13 U60.14 U60.15 U61.1 U61.2 U62.1 U62.2 U63.1 U63.2 U64.1 U64.2 U805.3 U805.29 U806.11 U807.11 U808.3 U811.4 U812.4 U813.4 U814.11 U815.1 U815.2 U816.3 U2001.4 U2002.3 U2002.29 U2003.11 U2004.1 U2004.2 U2005.1 U2005.2 U2006.11 U2009.10(VSS_5) U2009.19 U2009.20 U2009.27 U2009.49 U2009.74 U2009.99 U2010.11 U2011.11 U2012.5 U2013.4 U2014.4 X1.2 X2.2 X3.2 X4.2 Y1.2 Y1.4 Y2.3